# KiCad board TERES_PCB1-A64-MAIN_Rev.B.kicad_pcb (continued)
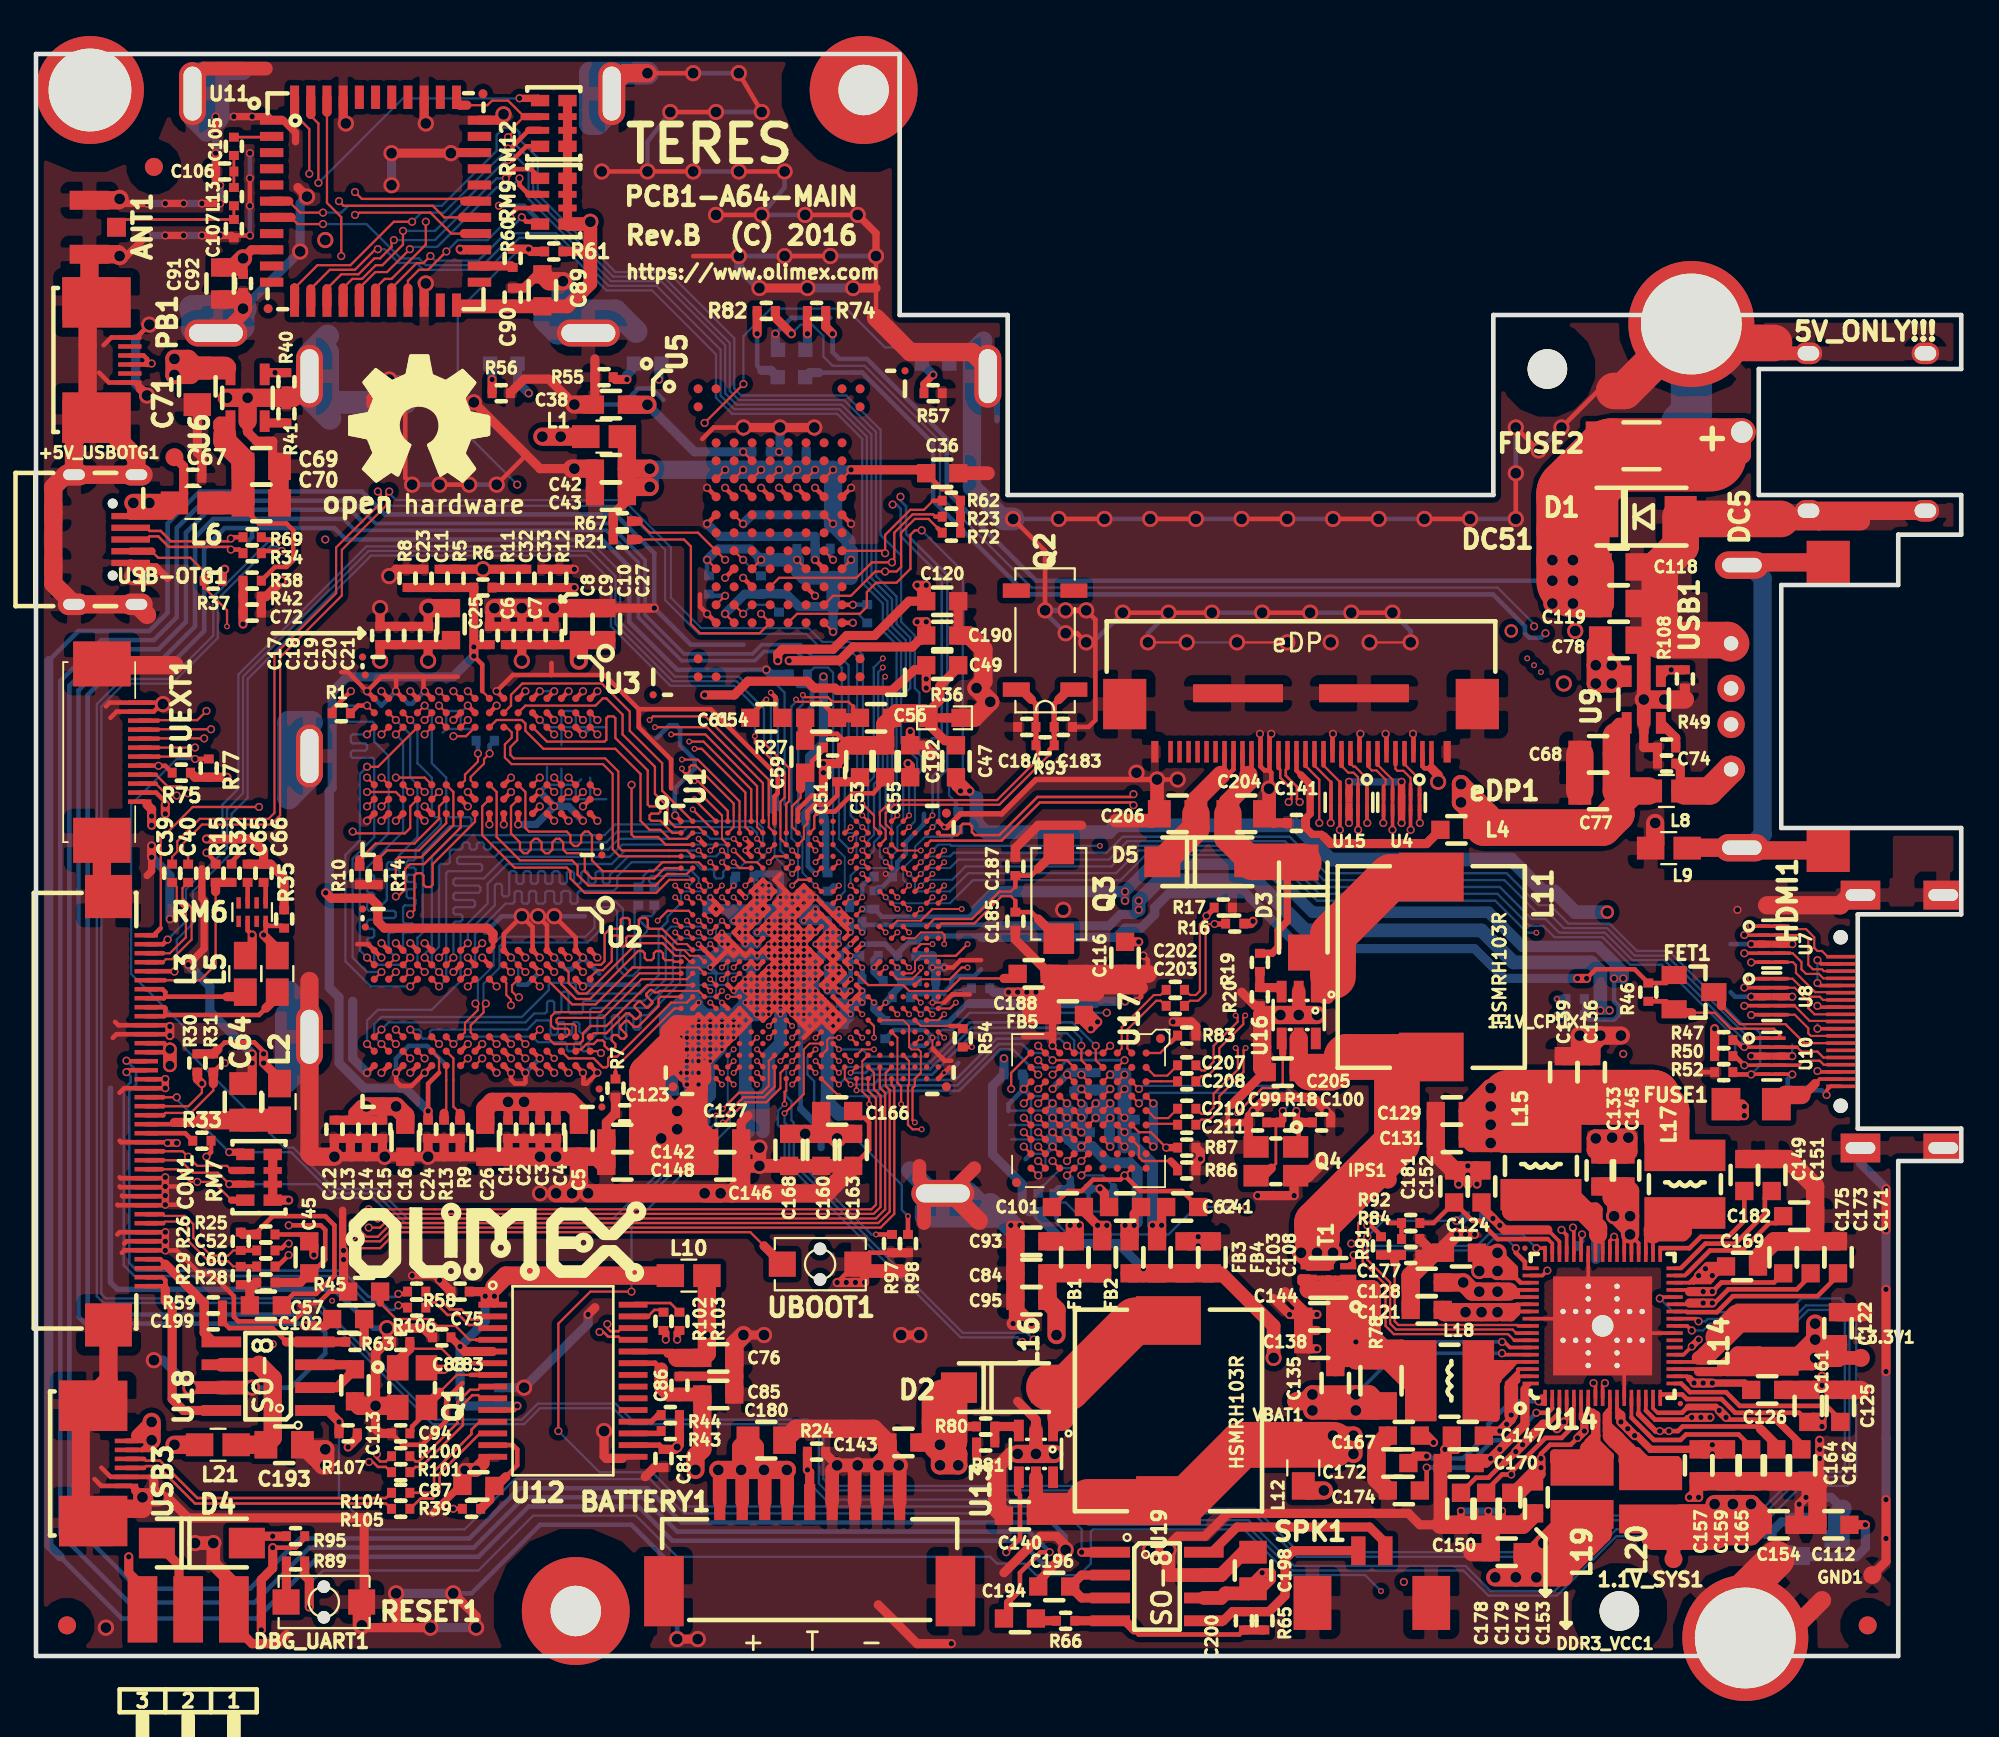
[diagram p0: board, top side]
## Routing (per net, layer and track width the routed paths; a pad name or vN(x,y) marks a point on that pad's centre or on a via; arc(x,y) is an arc through that point) (continued)
/S0SBA0: length 47.1
  Top w0.127: U3.M2 v2(21.6,52) ; 40.4,44.42 v4(40.07,44.75) ; U2.M2 v2(21.6,38.8)
  In2.Cu w0.127: v2(21.6,52) 21.2,51.6 21.2,49.2 19.6,47.6 19.6,46.2 19,45.6 19,45.2 18.9,45.1 18.5,45.1 18.4,45 18.4,44.7 18.5,44.6 19.3,44.6 19.4,44.5 19.4,44.2 19.3,44.1 18.5,44.1 18.4,44 18.4,43.7 18.5,43.6 20.4,43.6 20.5,43.5 20.5,42.2 21.2,41.5 21.2,39.2 v2(21.6,38.8)
  Bottom w0.107: 40.4,45.08 40.4,46
  Bottom w0.127: v2(21.6,38.8) 21.6,39 22,39.4 22,44.4 23.2,45.6 31.6,45.6 32.2,46.2 35.8,46.2 35.97,46.38 40.03,46.38 40.4,46 ; v4(40.07,44.75) 40.4,45.08
/S0SBA1: length 47.5
  Top w0.127: v2(21.6,33.2) U2.N8 ; U1.R3 v4(37.47,36.95) ; v2(17.6,45.8) 17.7,45.7 20.5,45.7 20.8,46 20.8,47.2 U3.N8
  In2.Cu w0.127: v2(17.6,45.8) 17.6,37.9 20.4,35.1 20.4,34.4 v2(21.6,33.2)
  In3.Cu w0.127: v4(37.47,36.95) 35.1,36.95 34.3,36.15 34.3,35.7 34.2,35.6 34,35.6 33.9,35.7 33.9,35.8 33.8,35.9 33.6,35.9 33.5,35.8 33.5,35.1 33.4,35 33.2,35 33.1,35.1 33.1,35.8 33,35.9 32.8,35.9 32.7,35.8 32.7,34.5 32.6,34.4 32.4,34.4 32.3,34.3 32.3,33.8 32.2,33.7 32,33.7 31.9,33.8 31.9,34.3 31.8,34.4 31.6,34.4 31.5,34.3 31.5,34.1 31.4,34 31.2,34 31.1,34.1 31.1,34.3 31,34.4 30.8,34.4 30.7,34.3 30.7,33.6 30.6,33.5 30.4,33.5 30.3,33.6 30.3,34.3 30.2,34.4 30,34.4 29.9,34.3 29.9,33.6 29.8,33.5 29.6,33.5 29.5,33.6 29.5,34.3 29.4,34.4 29.2,34.4 29.1,34.3 29.1,34 29,33.9 28.8,33.9 28.7,34 28.7,34.3 28.6,34.4 28.4,34.4 28.3,34.3 28.3,34 28.2,33.9 27.9,33.9 27.8,34 27.8,34.3 27.7,34.4 22.1,34.4 21.9,34.2 21.9,33.5 v2(21.6,33.2)
/S0SBA2: length 47
  Top w0.127: U1.C6 v4(38.78,45.4) ; U3.M3 v2(21.6,51.2) ; U2.M3 v2(22.4,37.2)
  In2.Cu w0.127: v2(21.6,51.2) 21.6,48.8 21.2,48.4 21.2,47.6 20.4,46.8 20.4,45.6 20.3,45.5 19.6,45.5 19.5,45.4 19.5,45.1 19.6,45 20.7,45 20.8,44.9 20.8,44.6 20.7,44.5 19.9,44.5 19.8,44.4 19.8,44.1 19.9,44 20.7,44 20.8,43.9 20.8,42.4 21.6,41.6 21.6,40.3 22,39.9 U2.M3 v2(22.4,37.2)
  Bottom w0.107: 37.15,45.73 36.4,45.73
  Bottom w0.127: 37.15,45.73 37.47,45.4 v4(38.78,45.4) ; v2(22.4,37.2) 22.8,37.6 22.8,43.5 22.9,43.6 24.7,43.6 24.8,43.7 24.8,43.9 24.7,44 23.5,44 23.4,44.1 23.4,44.3 23.5,44.4 25.5,44.4 25.9,44.8 31.8,44.8 32.4,45.4 36.07,45.4 36.4,45.73
/S0SCAS: length 47.4
  Top w0.127: v2(24,38) U2.K3 ; U1.C9 v4(40.72,44.75) ; v2(24,52) U3.K3
  In2.Cu w0.127: v2(24,52) 24,50.9 23.5,50.4 23.5,49.5 25.6,47.4 25.6,47.2 25.5,47.1 24.9,47.1 24.8,47 24.8,46.8 24.9,46.7 25.5,46.7 25.6,46.6 25.6,45.8 25.5,45.7 25.3,45.7 25.2,45.6 25.2,45.2 25.1,45.1 24.9,45.1 24.8,45.2 24.8,45.7 24.7,45.8 24.5,45.8 24.4,45.7 24.4,38.4 v2(24,38)
  Bottom w0.107: 39.43,44.1 39.1,43.77 38.4,43.77
  Bottom w0.127: 38.4,43.77 38.2,43.58 38.2,43.3 38.1,43.2 37.8,43.2 37.7,43.3 37.7,43.6 37.6,43.7 37,43.7 36.6,44.1 33.1,44.1 32.3,43.3 32.3,42.7 32.1,42.5 30.2,42.5 30.1,42.4 30.1,41.9 30,41.8 29.8,41.8 29.7,41.9 29.7,42.4 29.6,42.5 29.3,42.5 29.2,42.4 29.2,41.9 29.1,41.8 28.9,41.8 28.8,41.9 28.8,42.4 28.7,42.5 28.4,42.5 28.3,42.4 28.3,41.9 28.2,41.8 27.9,41.8 27.8,41.9 27.8,42.4 27.7,42.5 27.5,42.5 27.4,42.4 27.4,41.9 27.3,41.8 27.1,41.8 27,41.9 27,42.4 26.9,42.5 26.7,42.5 26.6,42.4 26.6,41.9 26.5,41.8 26.1,41.8 24.4,40.1 24.4,38.4 v2(24,38) ; 39.43,44.1 40.07,44.1 v4(40.72,44.75)
/S0SCK_N: length 44.1
  Top w0.119: v2(24.43,36.25) 24.56,36.12 24.56,35.88 23.84,35.17 23.84,34.64 U2.K7 ; v2(24.56,50.14) 24.56,49.69 23.84,48.97 23.84,48.64 U3.K7
  In2.Cu w0.097: v2(24.56,50.14) 25.27,49.43 25.76,49.43 26.17,49.84 26.83,49.84 26.97,49.71 26.97,46.98 27.85,46.09 27.85,45.28 27.73,45.16 26.73,45.16 25.44,43.87 25.44,38.34 24.56,37.45 24.56,36.38 v2(24.43,36.25)
  Bottom w0.119: v2(24.43,36.25) 24.56,36.38 24.56,37.48 25.44,38.37 25.44,39.57 25.83,39.96 30.53,39.96 31.04,40.47 31.04,41.59 31.38,41.92 32.2,41.92 32.62,41.5 32.62,38.34 32.85,38.11 33.04,38.11 33.27,38.34 33.27,41.47 33.48,41.68 R4.1
  Bottom w0.254: v2(24.56,50.14) 24.56,50.75 R2.1
/S0SCK_P: length 45
  Top w0.119: v2(25.21,50.14) 24.9,49.83 24.9,49.58 24.16,48.83 24.16,48.64 U3.J7 ; U2.J7 24.16,34.64 24.16,35.03 24.87,35.75 24.87,36.12 v2(25,36.25)
  In2.Cu w0.097: v2(25.21,50.14) 25.21,49.94 25.4,49.75 25.63,49.75 26.03,50.16 26.97,50.16 27.29,49.84 27.29,47.11 28.17,46.22 28.17,45.15 27.87,44.84 26.87,44.84 25.76,43.74 25.76,38.21 24.87,37.32 24.87,36.38 v2(25,36.25)
  Bottom w0.119: v2(25,36.25) 24.87,36.38 24.87,37.35 25.76,38.23 25.76,39.43 25.97,39.64 30.67,39.64 31.36,40.33 31.36,41.45 31.51,41.61 32.07,41.61 32.3,41.37 32.3,38.21 32.72,37.79 33.17,37.79 33.58,38.2 33.58,39.88 33.96,40.26 33.96,40.44 33.58,40.82 33.58,40.98 33.7,41.1 34.2,41.1 34.37,41.27 R3.1
  Bottom w0.254: v2(25.21,50.14) 25.21,50.59 R2.2
/S0SCKE0: length 49.1
  Top w0.127: v2(24,33.2) U2.K9 ; U3.K9 23.6,46.02 21.57,43.99 20.78,43.99 20.52,43.74 20.52,42.6 20.13,42.2 v2(20,42.2) ; U1.J3 v4(37.47,40.85)
  In2.Cu w0.107: 36.5,39.23 37.68,39.23 37.8,39.35 37.8,40.52
  In2.Cu w0.127: 36.5,39.23 35.8,38.52 35.8,36.3 32.1,32.6 32.1,32.1 31.2,31.2 31.2,30.3 31,30.1 28.1,30.1 27.9,30.3 27.9,31.1 27.5,31.5 25.6,31.5 25.5,31.4 25.5,30.3 25.4,30.2 25.1,30.2 25,30.3 25,31.4 24.9,31.5 24.6,31.5 24.5,31.4 24.5,30.3 24.4,30.2 24.1,30.2 24,30.3 v2(24,33.2) 23.6,33.6 23.6,34.4 21.3,36.7 20.5,36.7 19.6,37.6 19.6,40.56 19.73,40.69 19.89,40.69 20.02,40.82 20.02,41.07 19.89,41.2 19.51,41.2 19.38,41.33 19.38,41.58 19.51,41.71 19.89,41.71 20,41.82 v2(20,42.2) ; v4(37.47,40.85) 37.8,40.52
/S0SCKE1: length 49.1
  Top w0.127: U1.H6 v4(38.78,42.15) ; v2(24.8,33.2) U2.J9 ; U3.J9 24.4,46.35 22.05,43.99 22.05,42.85 21.92,42.72 21.67,42.72 21.54,42.85 21.54,43.36 21.41,43.48 21.16,43.48 21.03,43.36 21.03,41.43 v2(20.8,41.2)
  In2.Cu w0.107: 36.5,39.88 37.03,39.88 37.15,40 37.15,41.05 37.28,41.17 37.8,41.17
  In2.Cu w0.127: v2(20.8,41.2) 20.4,40.8 20.4,37.8 20.6,37.6 21.07,37.6 24.4,34.27 24.4,33.6 v2(24.8,33.2) 24.8,32.5 25.4,31.9 28.2,31.9 28.3,31.8 28.3,30.6 28.4,30.5 28.7,30.5 28.8,30.6 28.8,31.8 28.9,31.9 29.2,31.9 29.3,31.8 29.3,30.6 29.4,30.5 29.7,30.5 29.8,30.6 29.8,31.8 29.9,31.9 30.2,31.9 30.3,31.8 30.3,30.7 30.4,30.6 30.7,30.6 30.8,30.7 30.8,31.7 31,31.9 31.4,31.9 31.7,32.2 31.7,32.7 35.4,36.4 35.4,38.77 36.5,39.88 ; v4(38.78,42.15) 37.8,41.17
/S0SCS0: length 47.3
  Top w0.127: U2.L2 v2(23.2,38.8) ; v4(38.12,44.1) U1.E5 ; U3.L2 v2(22.4,52.8)
  In2.Cu w0.127: v2(22.4,52.8) U3.L2 22.8,51.4 22.6,51.2 22.6,49 23.2,48.4 23.2,47.6 22.8,47.2 22.8,44.4 22.7,44.3 22.4,44.3 22.3,44.2 22.3,44 22.4,43.9 22.7,43.9 22.8,43.8 22.8,43.6 22.7,43.5 22.4,43.5 22.3,43.4 22.3,43.2 22.4,43.1 22.7,43.1 22.8,43 22.8,42.8 22.7,42.7 22.4,42.7 22.3,42.6 22.3,42.4 22.4,42.3 22.7,42.3 22.9,42.1 23.2,42.1 23.3,42 23.3,41.8 23.2,41.7 22.9,41.7 22.8,41.6 22.8,41.4 22.9,41.3 23.2,41.3 23.3,41.2 23.3,41 23.2,40.9 22.9,40.9 22.8,40.8 22.8,40.6 23.2,40.2 v2(23.2,38.8)
  Bottom w0.107: 36.5,45.08 38.32,45.08 38.45,44.95 38.45,44.42
  Bottom w0.127: v2(23.2,38.8) 23.2,40.7 23.3,40.8 23.6,40.8 23.7,40.9 23.7,41.1 23.6,41.2 23.3,41.2 23.2,41.3 23.2,41.5 23.3,41.6 24.3,41.6 24.4,41.7 24.4,41.9 24.3,42 23.3,42 23.2,42.1 23.2,42.3 23.3,42.4 24.6,42.4 24.7,42.5 24.7,42.7 24.6,42.8 23.3,42.8 23.2,42.9 23.2,43.1 23.3,43.2 24.9,43.2 26.1,44.4 31.9,44.4 32.57,45.08 36.5,45.08 ; 38.45,44.42 v4(38.12,44.1)
/S0SCS1: length 47.8
  Top w0.127: U3.L1 v2(22.4,53.6) ; v4(38.12,42.15) U1.H5 ; U2.L1 v2(22.4,38.8)
  In2.Cu w0.127: v2(22.4,53.6) 21.9,54.1 21.3,54.1 21.2,54 21.2,52.5 21.3,52.4 21.8,52.4 22,52.2 22,46 21.9,45.9 21.2,45.9 21.1,45.8 21.1,42.6 22,41.7 22,40.4 22.4,40 v2(22.4,38.8)
  In3.Cu w0.107: 37.8,41.83 35.2,41.83
  In3.Cu w0.127: 35.2,41.83 33.82,41.83 33.7,41.7 33.7,41.3 33.6,41.2 32.8,41.2 32.7,41.3 32.7,41.8 32.6,41.9 32.4,41.9 32.3,41.8 32.3,41.3 32.2,41.2 32,41.2 31.9,41.3 31.9,41.8 31.8,41.9 31.6,41.9 31.5,41.8 31.5,41.2 31.4,41.1 31.2,41.1 31.1,41.2 31.1,41.8 31,41.9 30.8,41.9 30.7,41.8 30.7,41 30.6,40.9 30.4,40.9 30.3,41 30.3,41.8 30.2,41.9 30,41.9 29.9,41.8 29.9,41 29.8,40.9 29.6,40.9 29.5,41 29.5,41.8 29.4,41.9 25.7,41.9 25.6,41.8 25.6,41.6 25.7,41.5 26.2,41.5 26.3,41.4 26.3,41.2 26.2,41.1 25.7,41.1 25.6,41 25.6,38.6 25.4,38.4 22.8,38.4 v2(22.4,38.8) ; v4(38.12,42.15) 37.8,41.83
/S0SDQ0: length 14.7
  Top w0.127: U2.F7 v2(27.2,34) ; v4(36.82,40.2) U1.L3
  In2.Cu w0.107: 36.5,40.52 35.34,40.52
  In2.Cu w0.127: v4(36.82,40.2) 36.5,40.52 ; v2(27.2,34) 30.2,34 30.9,34.7 31.67,34.7 34.07,37.1 34.07,39.25 35.34,40.52
/S0SDQ1: length 15
  Top w0.127: v4(35.53,42.8) U1.G1 ; U2.G2 v2(26.4,38)
  In2.Cu w0.127: v4(35.53,42.8) 35.03,43.3 31.5,43.3 29.5,41.3 29.5,40.6 29.3,40.4 28.5,40.4 28.3,40.2 28.3,39.8 28.1,39.6 27.9,39.6 27.7,39.8 27.7,40.2 27.5,40.4 27.3,40.4 27.1,40.2 27.1,39.5 26.8,39.2 26.8,38.4 v2(26.4,38)
/S0SDQ2: length 14.8
  Top w0.127: U2.F2 v2(27.2,38) ; v4(36.82,42.15) U1.H3
  In2.Cu w0.107: 36.5,42.48 35.25,42.48
  In2.Cu w0.127: v4(36.82,42.15) 36.5,42.48 ; 35.25,42.48 34.82,42.9 31.7,42.9 29.9,41.1 29.9,39.8 29.7,39.6 29.4,39.6 29.3,39.7 29.3,39.9 29.2,40 28.9,40 28.8,39.9 28.8,39.4 28.6,39.2 27.8,39.2 27.6,39 27.6,38.4 v2(27.2,38)
/S0SDQ3: length 15
  Top w0.127: v2(25.6,34) U2.H7 ; U1.K1 v4(35.53,40.85)
  In2.Cu w0.127: v2(25.6,34) 26,34.4 28.4,34.4 30.1,34.4 30.8,35.1 31.46,35.1 33.69,37.33 33.69,39.38 35.16,40.85 v4(35.53,40.85)
/S0SDQ4: length 14.8
  Top w0.127: v4(36.18,42.15) U1.H2 ; U2.E3 v2(28,37.2)
  In2.Cu w0.107: 35.85,41.83 35.07,41.83
  In2.Cu w0.127: v4(36.18,42.15) 35.85,41.83 ; 35.07,41.83 34.8,42.1 32.8,42.1 32.5,41.8 32.48,41.78 32.45,41.77 32.42,41.76 32.39,41.76 32.36,41.77 32.33,41.78 32.3,41.8 32.21,41.89 32.19,41.91 32.16,41.93 32.13,41.93 32.1,41.93 32.07,41.93 32.04,41.91 32.01,41.89 31.82,41.7 31.8,41.67 31.79,41.65 31.78,41.61 31.78,41.58 31.79,41.55 31.8,41.53 31.82,41.5 32.2,41.12 32.22,41.09 32.23,41.07 32.24,41.04 32.24,41.01 32.23,40.98 32.22,40.95 32.2,40.92 32.01,40.73 31.98,40.71 31.95,40.69 31.92,40.69 31.89,40.69 31.86,40.69 31.83,40.71 31.81,40.73 31.43,41.11 31.4,41.13 31.38,41.14 31.34,41.15 31.31,41.15 31.28,41.14 31.26,41.13 31.23,41.11 31.04,40.91 31.02,40.89 31,40.86 31,40.83 31,40.8 31,40.77 31.02,40.74 31.04,40.72 31.13,40.62 31.15,40.6 31.16,40.57 31.17,40.54 31.17,40.51 31.16,40.48 31.15,40.45 31.13,40.43 30.8,40.1 30.8,37.8 30.6,37.6 30,37.6 29.6,37.2 v2(28,37.2)
/S0SDQ5: length 14.8
  Top w0.127: v4(35.53,42.15) U1.H1 ; U2.H3 v2(25.6,37.2)
  In2.Cu w0.127: 35.2,42.15 35.19,42.15 ; 35.2,42.15 v4(35.53,42.15) ; 35.2,42.15 34.85,42.5 31.9,42.5 30.3,40.9 30.3,39.5 30,39.2 29.4,39.2 29.2,39 29.2,37.8 29,37.6 26,37.6 v2(25.6,37.2)
/S0SDQ6: length 15.2
  Top w0.127: U1.L1 v4(35.53,40.2) ; v2(25.6,33.2) U2.H8
  In2.Cu w0.127: v2(25.6,33.2) 26,33.6 28.4,33.6 30.28,33.6 30.98,34.3 31.87,34.3 34.45,36.88 34.45,39.12 v4(35.53,40.2)
/S0SDQ7: length 14.9
  Top w0.127: v4(36.18,40.2) U1.L2 ; U2.F8 v2(27.2,33.2)
  In2.Cu w0.127: v2(27.2,33.2) 27.6,32.8 30.6,32.8 30.8,33 30.8,33.61 31.09,33.9 32.08,33.9 34.83,36.65 34.83,38.85 v4(36.18,40.2)
/S0SDQ8: length 9.7
  Top w0.107: 36.82,36.95 35.53,36.95
  Top w0.127: 36.82,36.95 U1.T3 ; U2.A7 31,34.6 31.7,34.6 32.8,35.7 32.97,35.7 33.25,35.42 33.27,35.4 33.3,35.39 33.32,35.38 33.35,35.38 33.37,35.39 33.39,35.4 33.41,35.42 33.58,35.58 33.59,35.6 33.6,35.62 33.61,35.65 33.61,35.67 33.6,35.7 33.59,35.72 33.58,35.74 33.3,36.01 33.29,36.03 33.28,36.05 33.27,36.08 33.27,36.1 33.28,36.13 33.29,36.15 33.3,36.17 33.46,36.33 33.48,36.35 33.51,36.36 33.53,36.36 33.56,36.36 33.58,36.36 33.6,36.35 33.62,36.33 33.9,36.06 33.92,36.04 33.94,36.03 33.96,36.03 33.99,36.03 34.01,36.03 34.04,36.04 34.06,36.06 34.22,36.22 34.23,36.24 34.24,36.26 34.25,36.29 34.25,36.31 34.24,36.34 34.23,36.36 34.22,36.38 33.94,36.65 33.93,36.67 33.92,36.7 33.91,36.72 33.91,36.75 33.92,36.77 33.93,36.79 33.94,36.81 34.11,36.97 34.13,36.99 34.15,37 34.17,37.01 34.2,37.01 34.22,37 34.25,36.99 34.27,36.97 34.34,36.9 34.36,36.88 34.38,36.87 34.41,36.87 34.57,36.87 34.65,36.95 35.53,36.95
/S0SDQ9: length 9.5
  Top w0.107: 36.18,36.3 35.53,36.3
  Top w0.127: 35.53,36.3 35.3,36.3 32.3,33.3 31.9,33.3 31.8,33.2 31.8,32.8 31.7,32.7 31.5,32.7 31,33.2 29.6,33.2 U2.C8 ; 36.18,36.3 U1.T2
/S0SDQ10: length 9.7
  Top w0.127: U1.T1 34.72,36.62 34.6,36.5 34.6,36.1 33.46,34.96 33.28,34.96 33.24,34.96 33.21,34.98 33.19,35 32.94,35.25 32.91,35.27 32.88,35.28 32.85,35.29 32.82,35.29 32.78,35.28 32.75,35.27 32.73,35.25 32.52,35.04 32.5,35.01 32.48,34.98 32.47,34.95 32.47,34.91 32.48,34.88 32.5,34.85 32.52,34.82 32.76,34.58 32.78,34.55 32.8,34.52 32.81,34.49 32.81,34.45 32.8,34.42 32.68,34.3 32.5,34.3 32.3,34.5 32.1,34.5 32,34.4 32,34.2 32.2,34 32.2,33.82 32.08,33.7 31.8,33.7 31.6,33.9 31.6,34.1 31.5,34.2 31.2,34.2 31,34 30.6,34 30.3,33.7 30.1,33.7 U2.B8
/S0SDQ11: length 9.9
  Top w0.127: U1.R2 33.97,37.27 31.7,35 30.8,35 30.4,34.6 30.4,34.2 30.2,34 28.8,34 U2.D7
/S0SDQ12: length 9.7
  Top w0.107: 36.82,38.9 36.34,38.9 36.02,39.23 35.85,39.23
  Top w0.127: 35.85,39.23 35.57,39.23 34.8,40 32.9,40 32.8,39.9 32.8,39.53 32.7,39.43 32.5,39.43 32.4,39.53 32.4,39.93 32.3,40.03 32.1,40.03 32,39.93 32,38.6 31.5,38.1 31.2,38.1 30.8,37.7 U2.A3 ; U1.N3 36.82,38.9
/S0SDQ13: length 9.9
  Top w0.107: 35.53,38.9 36,38.9 36.32,38.58
  Top w0.127: 35.53,38.9 34.82,39.6 33.4,39.6 30.6,36.8 30.19,36.8 29.6,37.39 29.6,38 U2.C2 ; 36.32,38.58 U1.N2
/S0SDQ14: length 9.5
  Top w0.127: U2.C3 29.2,37.32 30.02,36.5 30.8,36.5 33.47,39.17 33.7,39.17 33.83,39.04 33.83,38.79 33.96,38.66 34.21,38.66 34.34,38.79 34.34,39.04 34.47,39.17 34.72,39.17 34.85,39.04 34.85,38.79 34.97,38.66 35.38,38.66 35.47,38.58 U1.N1
/S0SDQ15: length 9.8
  Top w0.107: 36.18,39.55 35.65,39.55
  Top w0.127: 36.18,39.55 U1.M2 ; U2.A2 31.4,38.4 31.6,38.6 31.6,40.1 31.9,40.4 32.4,40.4 32.5,40.5 32.5,40.9 32.6,41 32.9,41 33,40.9 33,40.5 33.1,40.4 33.4,40.4 33.5,40.5 33.5,40.9 33.6,41 33.9,41 34,40.9 34,40.5 34.1,40.4 34.8,40.4 35.65,39.55
/S0SDQ16: length 15.8
  Top w0.107: 36.82,44.1 35.53,44.1
  Top w0.127: 36.82,44.1 U1.E3 ; 35.53,44.1 34.82,44.1 34.32,43.6 31.5,43.6 30.9,44.2 30.9,45.6 30.7,45.8 30.5,45.8 30.3,45.6 30.3,45.2 30.1,45 29.9,45 29.7,45.2 29.7,45.6 29.5,45.8 27.4,45.8 27.2,46 27.2,48 U3.F7
/S0SDQ17: length 15.7
  Top w0.107: 35.2,43.12 U1.F2
  Top w0.127: 35.2,43.12 34.47,42.4 30.5,42.4 29.7,43.2 29.7,43.6 29.5,43.8 26.6,43.8 24.8,45.6 24.8,47.2 U3.H8
/S0SDQ18: length 15.8
  Top w0.107: 36.18,43.45 35.53,43.45
  Top w0.127: 35.53,43.45 35.07,43.45 34.42,42.8 30.7,42.8 30.1,43.4 30.1,43.9 29.8,44.2 26.9,44.2 25.6,45.5 25.6,48 U3.H7 ; 36.18,43.45 U1.E2
/S0SDQ19: length 15.8
  Top w0.127: U3.F8 26.4,47.2 26.4,45.7 26.9,45.2 26.9,44.8 27.1,44.6 27.3,44.6 27.5,44.8 27.5,45.2 27.7,45.4 27.9,45.4 28.1,45.2 28.1,44.8 28.3,44.6 28.5,44.6 28.7,44.8 28.7,45.2 28.9,45.4 29.1,45.4 29.3,45.2 29.3,44.8 29.5,44.6 30.3,44.6 30.5,44.4 30.5,43.6 30.9,43.2 34.37,43.2 34.95,43.77 U1.E1
/S0SDQ20: length 15.7
  Top w0.127: U1.B1 35.38,45.73 34.7,46.4 34.2,46.4 34.1,46.5 34.1,46.7 34.2,46.8 34.6,46.8 34.7,46.9 34.7,47.1 34.6,47.2 34.1,47.2 34,47.3 34,49.2 32.2,51 32.2,52.1 32.1,52.2 31.8,52.2 31.7,52.1 31.7,50.9 31.6,50.8 28.4,50.8 U3.E3
/S0SDQ21: length 16.1
  Top w0.107: 36.18,45.4 35.2,45.4
  Top w0.127: 35.2,45.4 34.7,45.9 34.1,45.9 33.6,46.4 33.6,49 32.2,50.4 28.2,50.4 27.2,51.4 27.2,51.8 27,52 25.6,52 U3.H3 ; U1.B2 36.18,45.4
/S0SDQ22: length 16.2
  Top w0.127: U1.A2 34.8,48.08 34.8,49.6 33,51.4 33,52.47 31.44,54.03 27.03,54.03 26.4,53.4 26.4,52.8 U3.G2
/S0SDQ23: length 15.7
  Top w0.107: 35.53,46.05 36.82,46.05
  Top w0.127: U3.F2 27.2,52.8 31.1,52.8 31.5,53.2 31.7,53.2 32.6,52.3 32.6,51.2 34.4,49.4 34.4,47.9 35.1,47.2 35.1,46.48 35.53,46.05 ; U1.B3 36.82,46.05
/S0SDQ24: length 14.9
  Top w0.107: 38.12,45.4 38.12,46.7
  Top w0.127: v4(36.2,48.1) 36.72,48.1 38.12,46.7 ; v2(30.4,48) U3.B8 ; U1.C5 38.12,45.4
  In2.Cu w0.127: v2(30.4,48) 30.8,47.6 30.8,46 30.9,45.9 33.3,45.9 33.5,46.1 33.5,46.7 33.6,46.8 34,46.8 34.1,46.9 34.1,47.1 34,47.2 33.7,47.2 33.6,47.3 33.6,47.5 33.7,47.6 34.2,47.6 34.5,47.9 35.7,47.9 35.9,48.1 v4(36.2,48.1)
/S0SDQ25: length 14.9
  Top w0.127: v2(28.8,48) U3.D7 ; U1.B4 v4(36.5,47.02)
  In2.Cu w0.127: v2(28.8,48) 29.2,47.6 29.2,46 28.9,45.7 28.9,45.3 29.1,45.1 34.6,45.1 35,45.5 35,47 35.2,47.2 36.32,47.2 v4(36.5,47.02)
/S0SDQ26: length 15
  Top w0.127: v4(36.6,47.6) 36.6,47.58 U1.A4 ; v2(29.6,48) U3.C8
  In2.Cu w0.127: v2(29.6,48) 30,47.6 30,46.1 29.7,45.8 29.7,45.6 29.8,45.5 34.4,45.5 34.6,45.7 34.6,45.9 34.5,46 34,46 33.9,46.1 33.9,46.3 34,46.4 34.5,46.4 34.6,46.5 34.6,47.4 34.8,47.6 v4(36.6,47.6)
/S0SDQ27: length 14.8
  Top w0.127: v2(31.2,48) U3.A7 ; v4(36.6,48.6) 36.8,48.6 38.45,46.95 U1.A5
  In2.Cu w0.127: v4(36.6,48.6) 35.9,48.6 35.5,48.2 33.6,48.2 33.3,47.9 33.2,47.9 33.1,47.8 33.1,46.5 33,46.4 32.7,46.4 32.6,46.5 32.6,47.8 32.5,47.9 32.2,47.9 32.1,47.8 32.1,46.5 32,46.4 31.7,46.4 31.6,46.5 31.6,47.6 v2(31.2,48)
/S0SDQ28: length 15.1
  Top w0.127: U1.A7 39.75,48.15 37.1,50.8 v4(36.3,50.8) ; U3.C3 v2(29.6,51.2)
  In2.Cu w0.127: v4(36.3,50.8) 36.3,51.4 36.2,51.5 35.8,51.5 35.7,51.4 35.7,50.9 35.5,50.7 30.1,50.7 v2(29.6,51.2)
/S0SDQ29: length 14.9
  Top w0.127: U1.A8 40.4,48.5 37.3,51.6 v4(34.4,51.6) ; v2(29.6,52) U3.C2
  In2.Cu w0.127: v2(29.6,52) 30,51.6 v4(34.4,51.6)
/S0SDQ30: length 15.1
  Top w0.107: 40.07,46.05 40.07,46.7
  Top w0.127: U3.A3 v2(31.2,51.2) ; v4(35.3,51.2) 37.2,51.2 40.07,48.33 40.07,46.7 ; 40.07,46.05 U1.B8
  In2.Cu w0.127: v4(35.3,51.2) 35.3,52.1 35.2,52.2 34.9,52.2 34.8,52.1 34.8,51.4 34.6,51.2 v2(31.2,51.2)
/S0SDQ31: length 14.7
  Top w0.107: 40.72,46.05 40.72,46.7
  Top w0.127: v4(34.1,52) 34.3,52.2 37.2,52.2 40.72,48.67 40.72,46.7 ; U1.B9 40.72,46.05 ; v2(31.2,52) U3.A2
  In2.Cu w0.127: v2(31.2,52) v4(34.1,52)
/S0SDQM0: length 15.3
  Top w0.127: v4(34.55,40.85) 35.1,41.4 36.28,41.4 U1.J2 ; v2(28,34.8) U2.E7
  In2.Cu w0.127: v4(34.55,40.85) 33.3,39.6 33.3,37.55 31.25,35.5 30.2,35.5 30,35.3 30,34.9 29.9,34.8 29.6,34.8 29.5,34.9 29.5,35.3 29.4,35.4 29.1,35.4 29,35.3 29,34.9 28.9,34.8 28.6,34.8 28.5,34.9 28.5,35.3 28.4,35.4 28.1,35.4 28,35.3 v2(28,34.8)
/S0SDQM1: length 10.3
  Top w0.107: 36.82,38.25 35.53,38.25
  Top w0.127: U2.D3 29.8,36.2 31.1,36.2 33.15,38.25 35.53,38.25 ; 37.15,37.92 36.82,38.25
/S0SDQM2: length 16
  Top w0.127: v2(33.1,48.4) 33.1,45.64 33.24,45.5 34.57,45.5 35,45.08 U1.C2 ; v2(28,48.8) U3.E7
  In2.Cu w0.127: v2(33.1,48.4) 28.5,48.4 28.4,48.5 28.4,50.5 28.3,50.6 28,50.6 27.9,50.5 27.9,48.9 v2(28,48.8)
/S0SDQM3: length 15.2
  Top w0.107: 39.43,46.05 39.43,46.7
  Top w0.127: 39.43,46.7 39.43,47.98 37,50.4 v4(36.6,50.4) ; 39.43,46.05 U1.B7 ; U3.D3 v2(28.8,51.2)
  In2.Cu w0.127: v2(28.8,51.2) 28.9,51.1 28.9,50.7 29.3,50.3 36.5,50.3 v4(36.6,50.4)
/S0SDQS0_N: length 15.5
  Top w0.119: v2(26.4,36.15) 26.4,36.47 26.14,36.73 26.14,37.39 26,37.53 U2.G3
  Top w0.127: v4(36.18,40.85) U1.K2
  In2.Cu w0.097: v2(26.4,36.15) 31.1,36.15 32.46,37.51 32.46,39.73 33.92,41.2 36.06,41.2 36.18,41.08 v4(36.18,40.85)
/S0SDQS0_P: length 15.5
  Top w0.119: U2.F3 26.46,37.26 26.46,36.92 26.78,36.59 v2(26.84,36.59)
  Top w0.127: U1.K3 v4(36.82,40.85)
  In2.Cu w0.097: v2(26.84,36.59) 26.97,36.47 30.97,36.47 32.14,37.64 32.14,39.87 33.79,41.52 36.16,41.52 v4(36.82,40.85)
/S0SDQS1_N: length 10.5
  Top w0.119: U2.B7 30,35 29.9,35.1 29.03,35.1 28.93,35.2 28.93,35.36 29.03,35.45 31.51,35.45 33.66,37.6 36.18,37.6 36.5,37.92
/S0SDQS1_P: length 10.5
  Top w0.119: 35.85,37.92 33.53,37.92 31.38,35.77 28.86,35.77 28.63,35.53 28.63,35.03 28.8,34.85 29.54,34.85 29.64,34.75 29.64,34.57 29.47,34.4 U2.C7
/S0SDQS2_N: length 16.6
  Top w0.119: U3.G3 26.15,51.6 26.44,51.31 26.44,51.02 26.06,50.64 26.06,49.92 26.43,49.55 31.51,49.55 32.05,49.01 32.05,44.82 32.44,44.42 35.85,44.42
/S0SDQS2_P: length 16.6
  Top w0.107: 35.53,44.75 36.18,44.75
  Top w0.119: 35.53,44.75 32.56,44.75 32.37,44.95 32.37,49.14 31.64,49.87 26.56,49.87 26.36,50.06 26.36,50.5 26.75,50.88 26.75,51.55 U3.F3
  Top w0.127: 36.18,44.75 36.5,44.42
/S0SDQS3_N: length 15.3
  Top w0.107: 38.78,46.05 38.78,46.7
  Top w0.119: v4(35.9,49.3) 35.9,49.19 36.04,49.05 36.22,49.05 36.32,49.15 36.32,49.38 36.42,49.48 36.65,49.48 38.78,47.36 38.78,46.7
  Top w0.127: 38.78,46.05 U1.B5 ; U3.B7 v2(29.6,48.8)
  In2.Cu w0.097: v2(29.6,48.8) 29.41,48.8 29.08,49.12 29.08,49.48 29.18,49.59 33.07,49.59 33.17,49.48 33.17,49.28 33.43,49.02 34.34,49.02 34.62,49.3 34.62,49.46 34.75,49.59 35,49.59 35.19,49.39 35.39,49.39 35.61,49.17 35.77,49.17 v4(35.9,49.3)
/S0SDQS3_P: length 15.4
  Top w0.119: v4(35.9,49.8) 36.78,49.8 39.1,47.48 39.1,46.7
  Top w0.127: 39.1,46.7 U1.B6 ; U3.C7 v2(28.8,48.8)
  In2.Cu w0.097: v2(28.8,48.8) 28.8,49.63 29.08,49.9 33.18,49.9 33.48,49.61 33.48,49.4 33.58,49.3 34.19,49.3 34.32,49.43 34.32,49.58 34.64,49.9 35.11,49.9 35.31,49.71 35.81,49.71 v4(35.9,49.8)
/S0SODT0: length 47.1
  Top w0.127: v2(23.2,53.6) U3.K1 ; 38.45,44.42 v4(38.12,44.75) ; v2(24,39.6) U2.K1
  In2.Cu w0.127: v2(23.2,53.6) 23.2,54 23.1,54.1 22.5,54.1 22.4,54.2 22.4,54.5 22.5,54.6 23.5,54.6 23.6,54.5 23.6,50.9 23.2,50.5 23.2,49.4 24.4,48.2 24.4,46.7 24,46.3 v2(24,39.6)
  Bottom w0.107: 36.5,44.42 37.8,44.42
  Bottom w0.127: 37.8,44.42 v4(38.12,44.75) ; 36.5,44.42 32.93,44.42 31.9,43.4 31.9,43 31.8,42.9 31.6,42.9 31.5,43 31.5,43.5 31.4,43.6 31.2,43.6 31.1,43.5 31.1,43 31,42.9 30.8,42.9 30.7,43 30.7,43.5 30.6,43.6 30.4,43.6 30.3,43.5 30.3,43 30.2,42.9 30,42.9 29.9,43 29.9,43.5 29.8,43.6 29.6,43.6 29.5,43.5 29.5,43 29.4,42.9 29.2,42.9 29.1,43 29.1,43.5 29,43.6 28.8,43.6 28.7,43.5 28.7,43 28.6,42.9 28.4,42.9 28.3,43 28.3,43.5 28.2,43.6 28,43.6 27.9,43.5 27.9,43 27.8,42.9 27.6,42.9 27.5,43 27.5,43.5 27.4,43.6 27.2,43.6 27.1,43.5 27.1,43 27,42.9 26.8,42.9 26.7,43 26.7,43.5 26.6,43.6 26.4,43.6 26.3,43.5 26.3,42.3 26.2,42.2 26,42.2 25.9,42.3 25.9,42.8 25.8,42.9 25.6,42.9 25.5,42.8 25.5,41.7 24,40.2 v2(24,39.6)
/S0SODT1: length 47.8
  Top w0.127: v4(38.78,44.1) 39.1,43.77 U1.E7 ; v2(24.8,39.6) U2.J1 ; U3.J1 v2(24,53.6)
  In2.Cu w0.127: v2(24,53.6) 24,54.5 24.1,54.6 24.7,54.6 24.8,54.5 24.8,53.6 U3.J1 24.4,50.9 23.8,50.3 23.8,49.6 26.4,47 26.4,45.8 24.8,44.2 v2(24.8,39.6)
  In3.Cu w0.127: v4(38.78,44.1) 38.38,43.7 37.1,43.7 37,43.6 37,43.4 36.9,43.3 36.7,43.3 36.6,43.4 36.6,43.7 36.5,43.8 36.3,43.8 36.2,43.7 36.2,43.4 36.1,43.3 35.9,43.3 35.8,43.4 35.8,43.7 35.7,43.8 35.5,43.8 35.4,43.7 35.4,43.4 35.3,43.3 35.1,43.3 35,43.4 35,43.7 34.9,43.8 34.7,43.8 34.6,43.7 34.6,43.4 34.5,43.3 34.3,43.3 34.2,43.4 34.2,43.7 34.1,43.8 33.9,43.8 33.8,43.7 33.8,43.4 33.7,43.3 30.1,43.3 30,43.2 30,42.8 29.9,42.7 29.7,42.7 29.6,42.8 29.6,43.2 29.5,43.3 29.3,43.3 29.2,43.2 29.2,42.8 29.1,42.7 28.9,42.7 28.8,42.8 28.8,43.2 28.7,43.3 28.5,43.3 28.4,43.2 28.4,42.8 28.3,42.7 28.1,42.7 28,42.8 28,43.2 27.9,43.3 27.7,43.3 27.6,43.2 27.6,42.8 27.5,42.7 27.3,42.7 27.2,42.8 27.2,43.2 27.1,43.3 26.9,43.3 26.8,43.2 26.8,42.8 26.7,42.7 26.5,42.7 26.4,42.8 26.4,43.2 26.3,43.3 26.1,43.3 26,43.2 26,42.8 25.9,42.7 25.7,42.7 25.6,42.8 25.6,43.2 25.5,43.3 25.3,43.3 25.2,43.2 25.2,42.8 24.8,42.4 v2(24.8,39.6)
/S0SRAS: length 47.9
  Top w0.127: v2(23.2,51.1) 23.9,51.1 U3.J3 ; v4(39.43,42.8) U1.F7 ; U2.J3 v2(24,37.2)
  In2.Cu w0.127: v2(23.2,51.1) 22.9,50.8 22.9,49.1 23.6,48.4 23.6,47 23.5,46.9 23.2,46.9 23.1,46.8 23.1,46.5 23.2,46.4 23.5,46.4 23.6,46.3 23.6,46 23.5,45.9 23.2,45.9 23.1,45.8 23.1,45.5 23.2,45.4 23.5,45.4 23.6,45.3 23.6,45 23.5,44.9 23.2,44.9 23.1,44.8 23.1,44.5 23.2,44.4 23.5,44.4 23.6,44.3 23.6,44 23.5,43.9 23.2,43.9 23.1,43.8 23.1,43.5 23.2,43.4 23.5,43.4 23.6,43.3 23.6,43 23.5,42.9 23.3,42.9 23.2,42.8 23.2,42.6 23.3,42.5 23.5,42.5 23.6,42.4 23.6,37.6 v2(24,37.2)
  In3.Cu w0.107: 39.1,41.83 39.1,42.48
  In3.Cu w0.127: 39.1,42.48 v4(39.43,42.8) ; 39.1,41.83 38.78,41.5 34.5,41.5 33.8,40.8 31.8,40.8 31.7,40.7 31.7,40.1 31.6,40 31.4,40 31.3,40.1 31.3,40.3 31.2,40.4 31,40.4 30.9,40.3 30.9,39.8 30.8,39.7 30.6,39.7 30.5,39.8 30.5,40.3 30.4,40.4 30.2,40.4 30.1,40.3 30.1,39.8 30,39.7 29.8,39.7 29.7,39.8 29.7,40.3 29.6,40.4 29.4,40.4 29.3,40.3 29.3,39.8 29.2,39.7 28.9,39.7 28.8,39.8 28.8,40.3 28.7,40.4 28.5,40.4 28.4,40.3 28.4,39.8 28.3,39.7 28.1,39.7 28,39.8 28,40.3 27.9,40.4 27.7,40.4 27.6,40.3 27.6,39.8 27.5,39.7 27.3,39.7 27.2,39.8 27.2,40.3 27.1,40.4 26.9,40.4 26.8,40.3 26.8,39.8 26.7,39.7 26.5,39.7 26.4,39.8 26.4,40.3 26.3,40.4 26.1,40.4 26,40.3 26,37.8 25.8,37.6 U2.J3 v2(24,37.2)
/S0SRST: length 48.2
  Top w0.127: v4(40.72,44.1) 41.05,44.42 41.7,44.42 ; U3.T2 v2(18.4,52.8) ; U2.T2 v2(18.4,38.8)
  Top w0.254: v2(18.4,52.8) 17.9,52.8 R1.1
  In3.Cu w0.107: 39.1,45.6 39.1,44.42
  In3.Cu w0.127: v4(40.72,44.1) 39.43,44.1 39.1,44.42 ; v2(18.4,38.8) 18.4,40 23.5,45.1 32.7,45.1 33,45.4 36.2,45.4 36.6,45.8 38.9,45.8 39.1,45.6
  Bottom w0.127: v2(18.4,38.8) 18,39.2 18,44.1 19.6,45.7 19.6,50 18.8,50.8 18.8,51.8 18.7,51.9 17.4,51.9 17.3,52 17.3,52.7 17.4,52.8 v2(18.4,52.8)
/S0SVREF: length 34.1
  Top w0.127: U1.G5 v4(38.78,42.8)
  Top w0.508: v2(29.92,59.36) R12.2 C33.2 C32.1 R11.1 R6.2
  In3.Cu w0.254: 40.02,46.38 41.25,45.15 41.25,43.9 40.8,43.45 39.1,43.45 38.78,43.12 v4(38.78,42.8)
  In3.Cu w0.508: v2(29.92,59.36) 29.92,56.82 29.16,56.06 29.16,54.79 29.54,54.41 31.89,54.41 32.4,53.9 32.4,50.7 34.2,48.9 34.2,47 35.1,46.1 35.8,46.1 36.07,46.38 40.02,46.38